# Altium PCB ALCT_MEZ_LX100.PcbDoc (part 1 of 10) (continued)
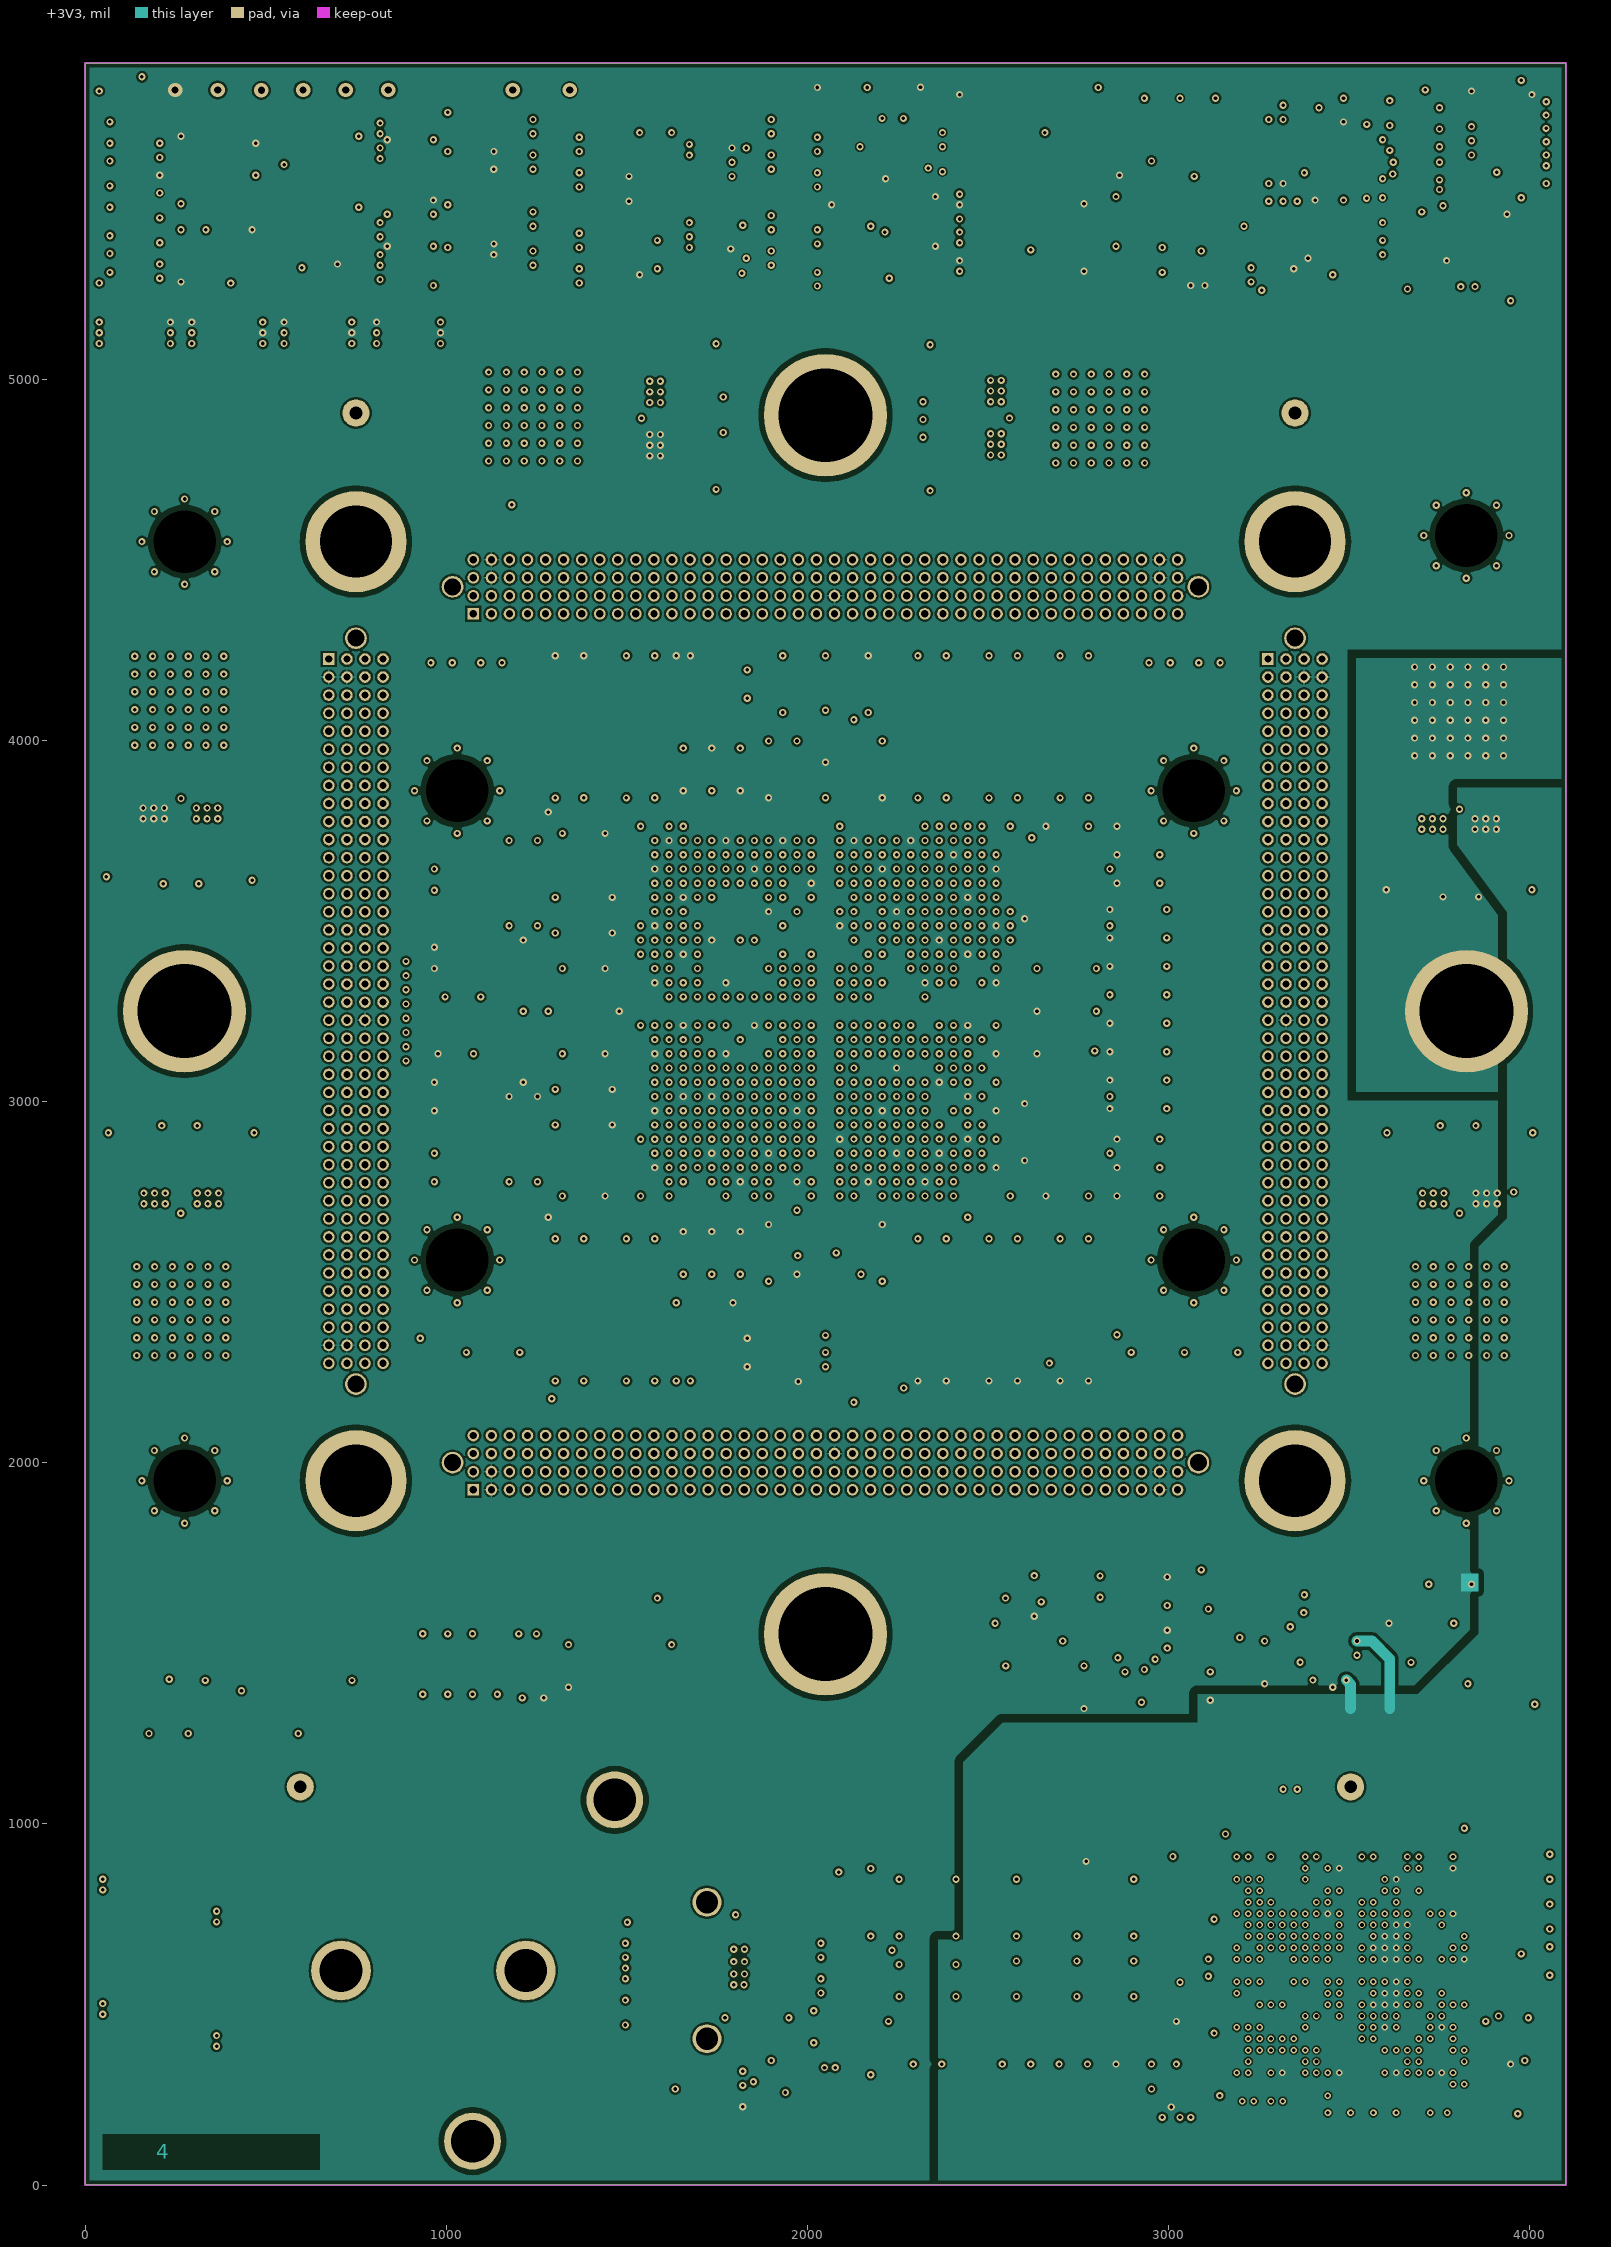
[diagram p4: +3V3]
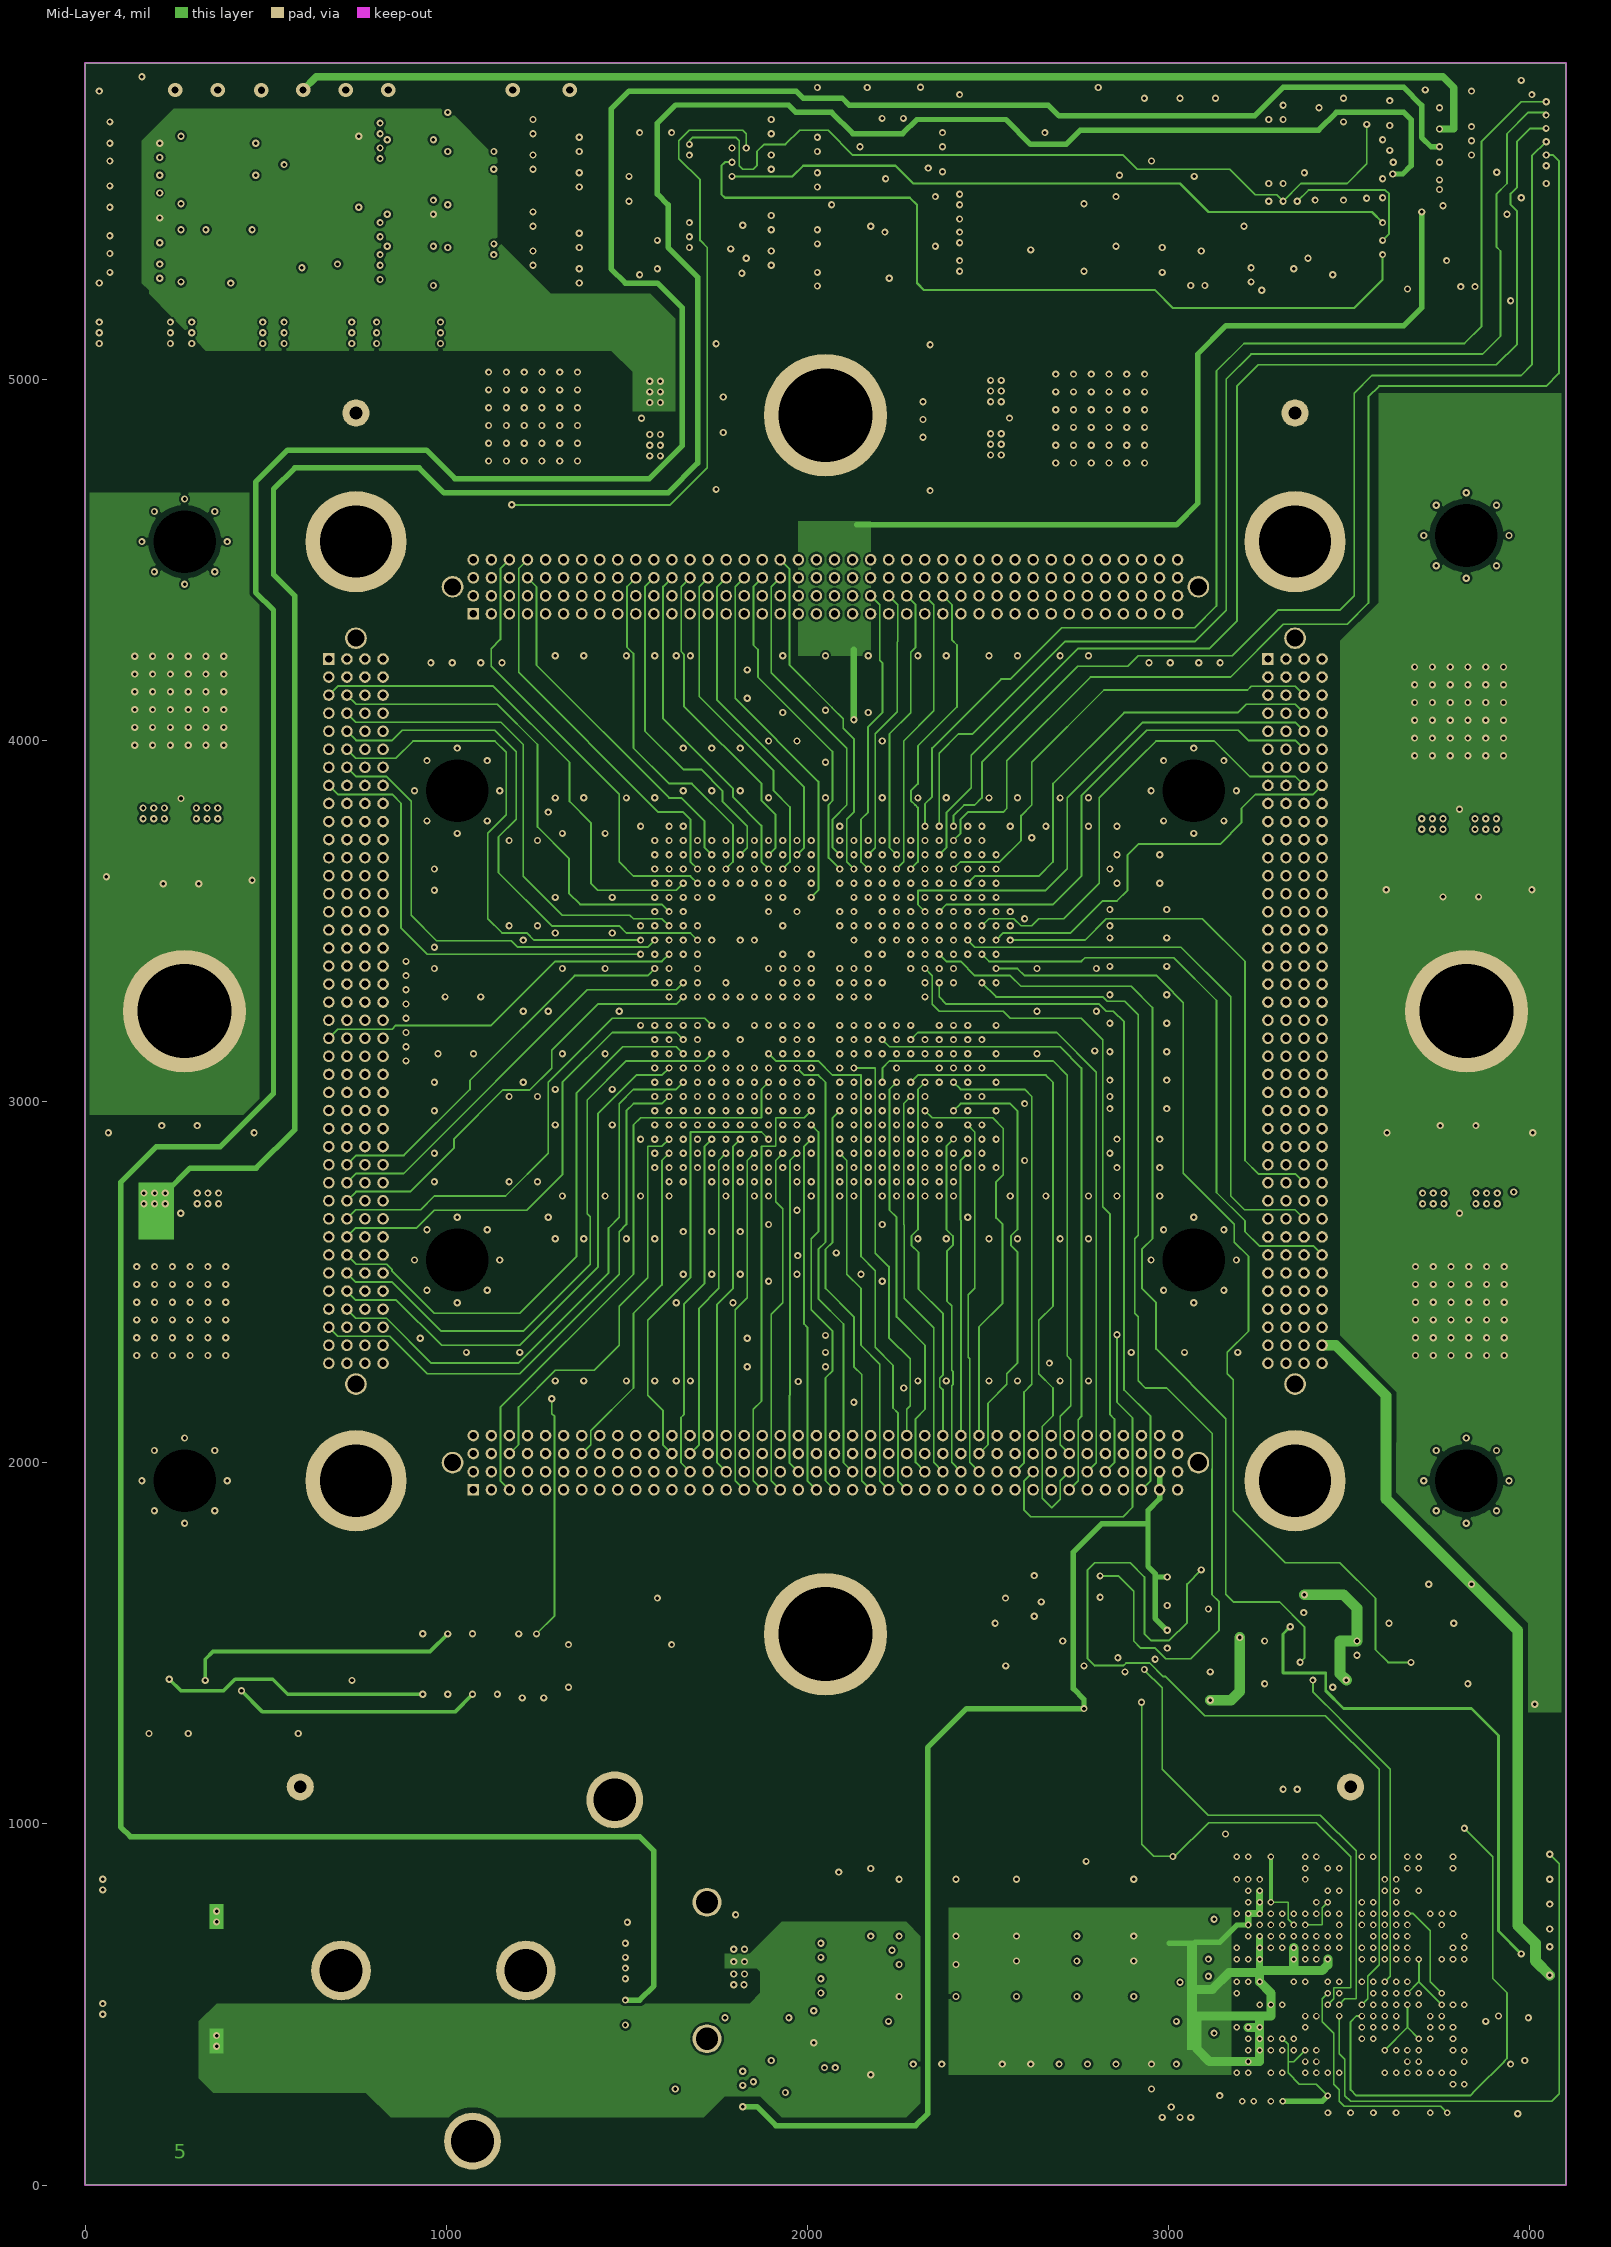
[diagram p5: Mid-Layer 4]
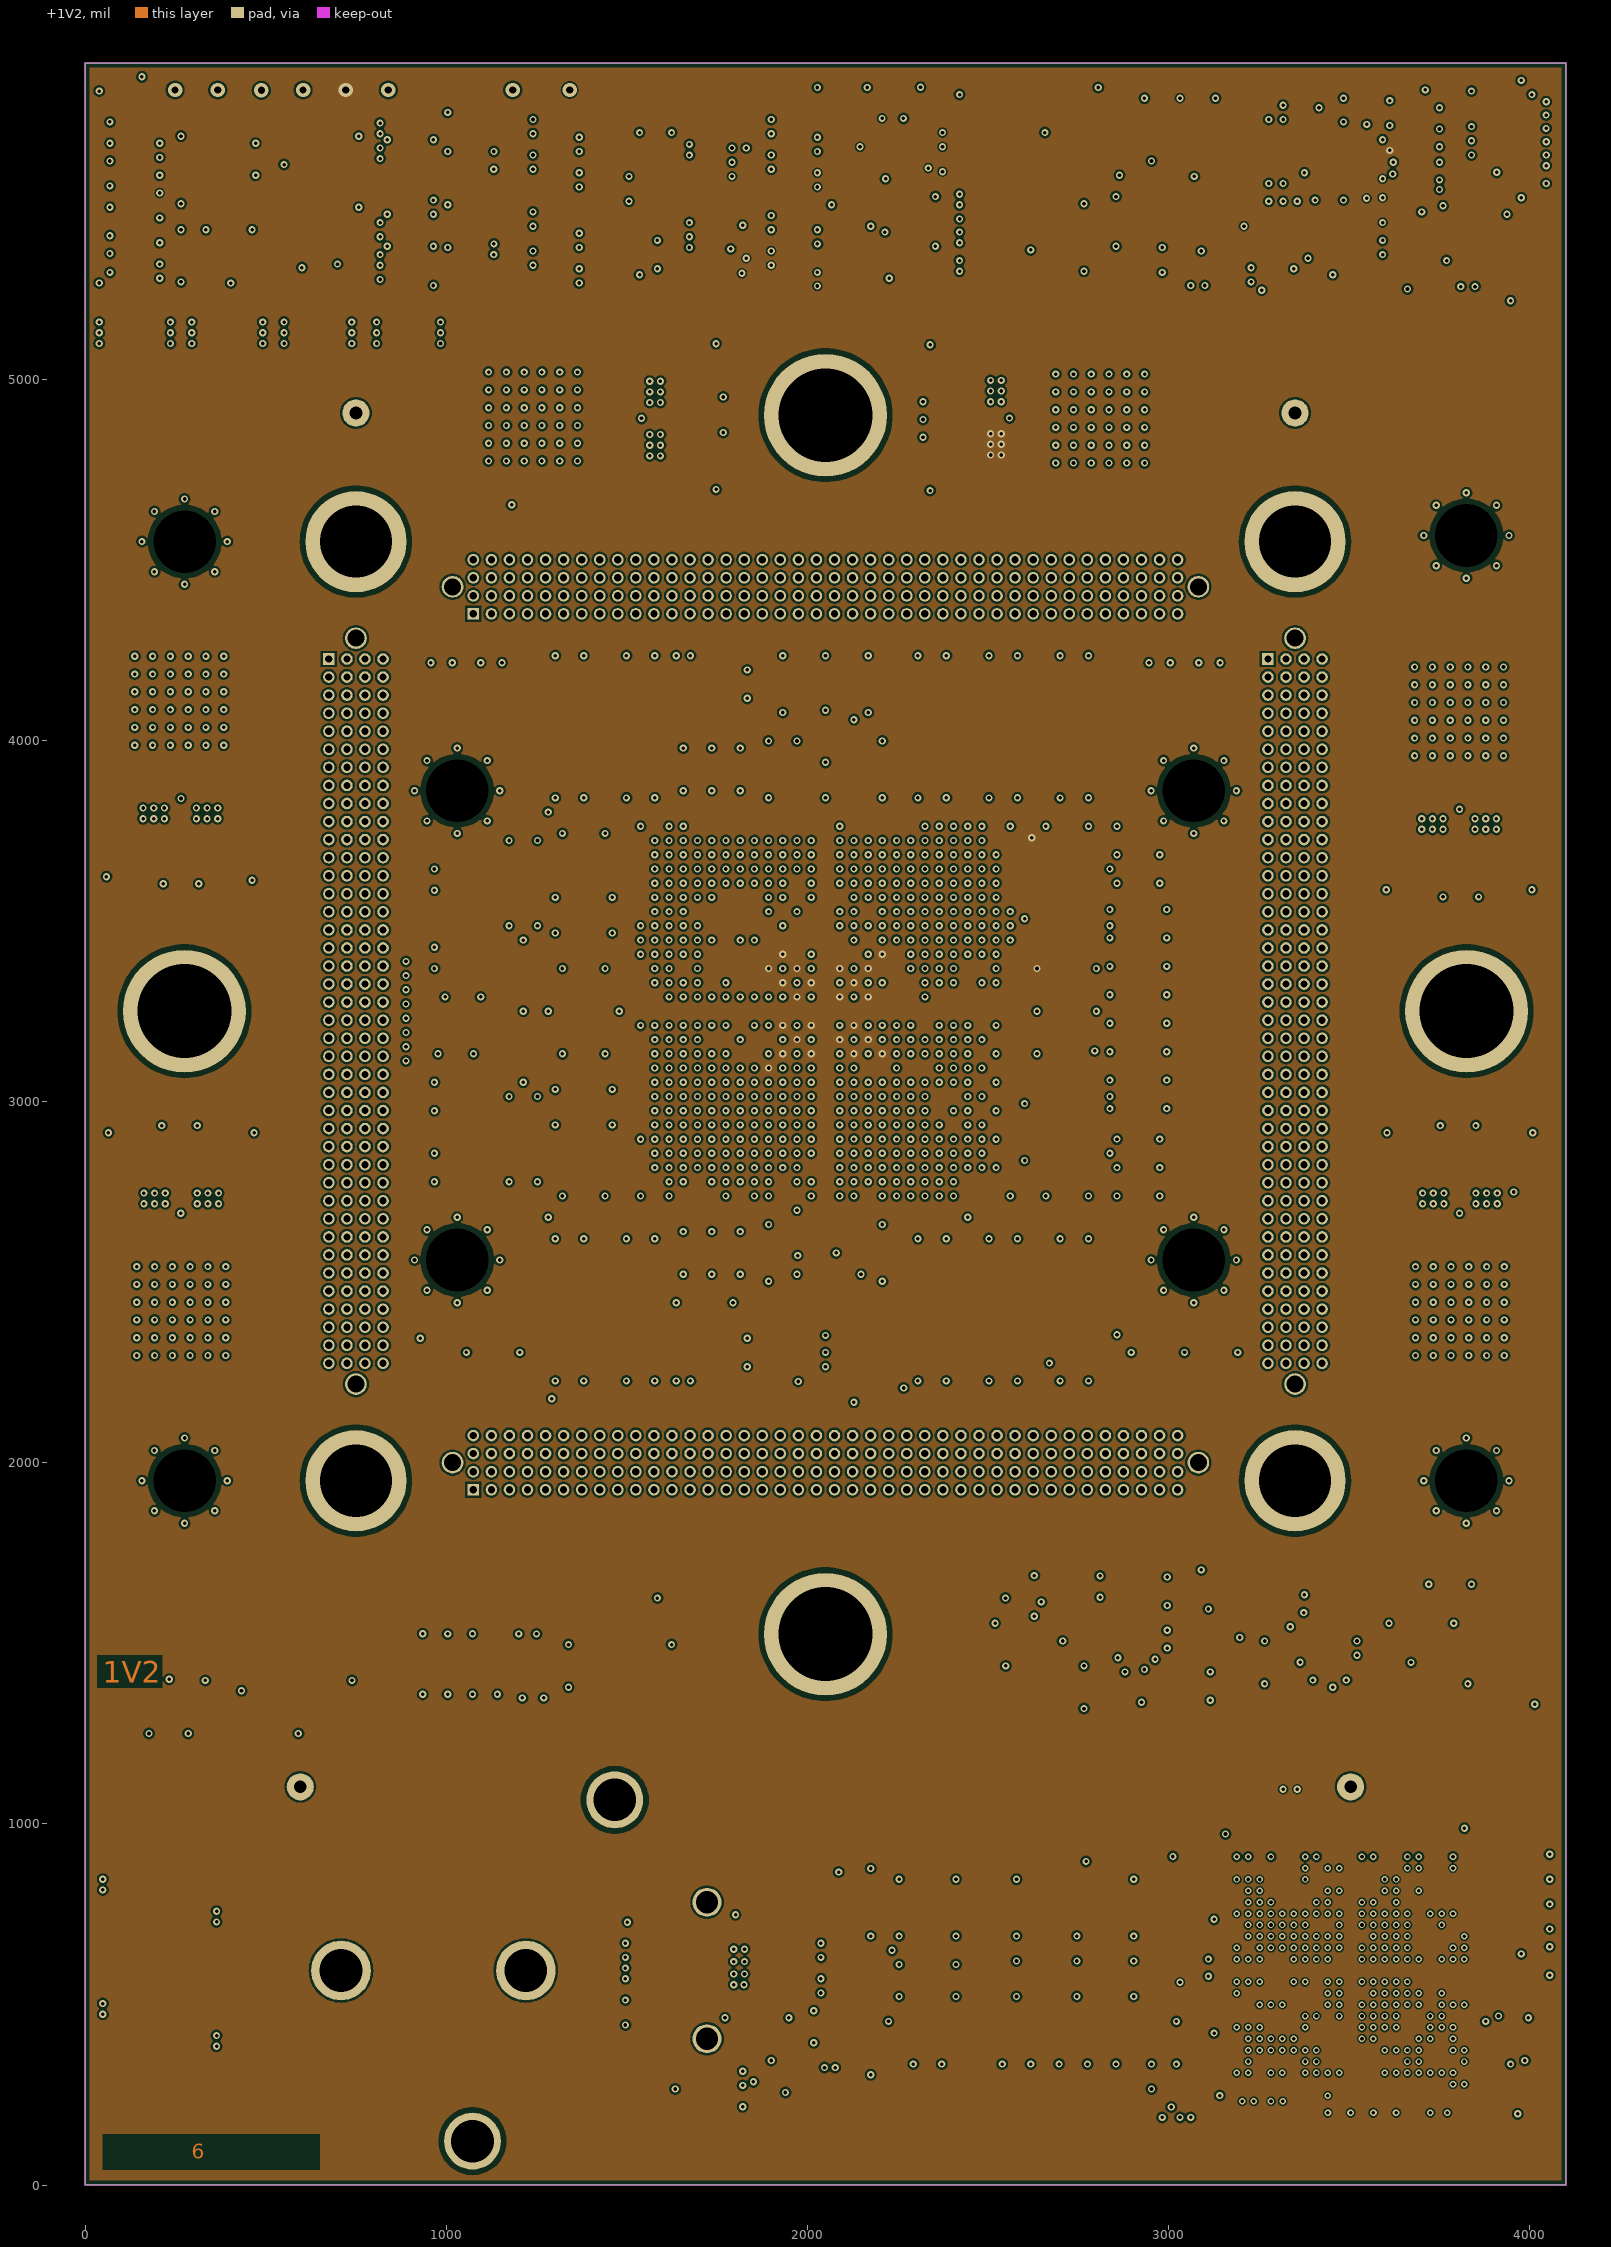
[diagram p6: +1V2]
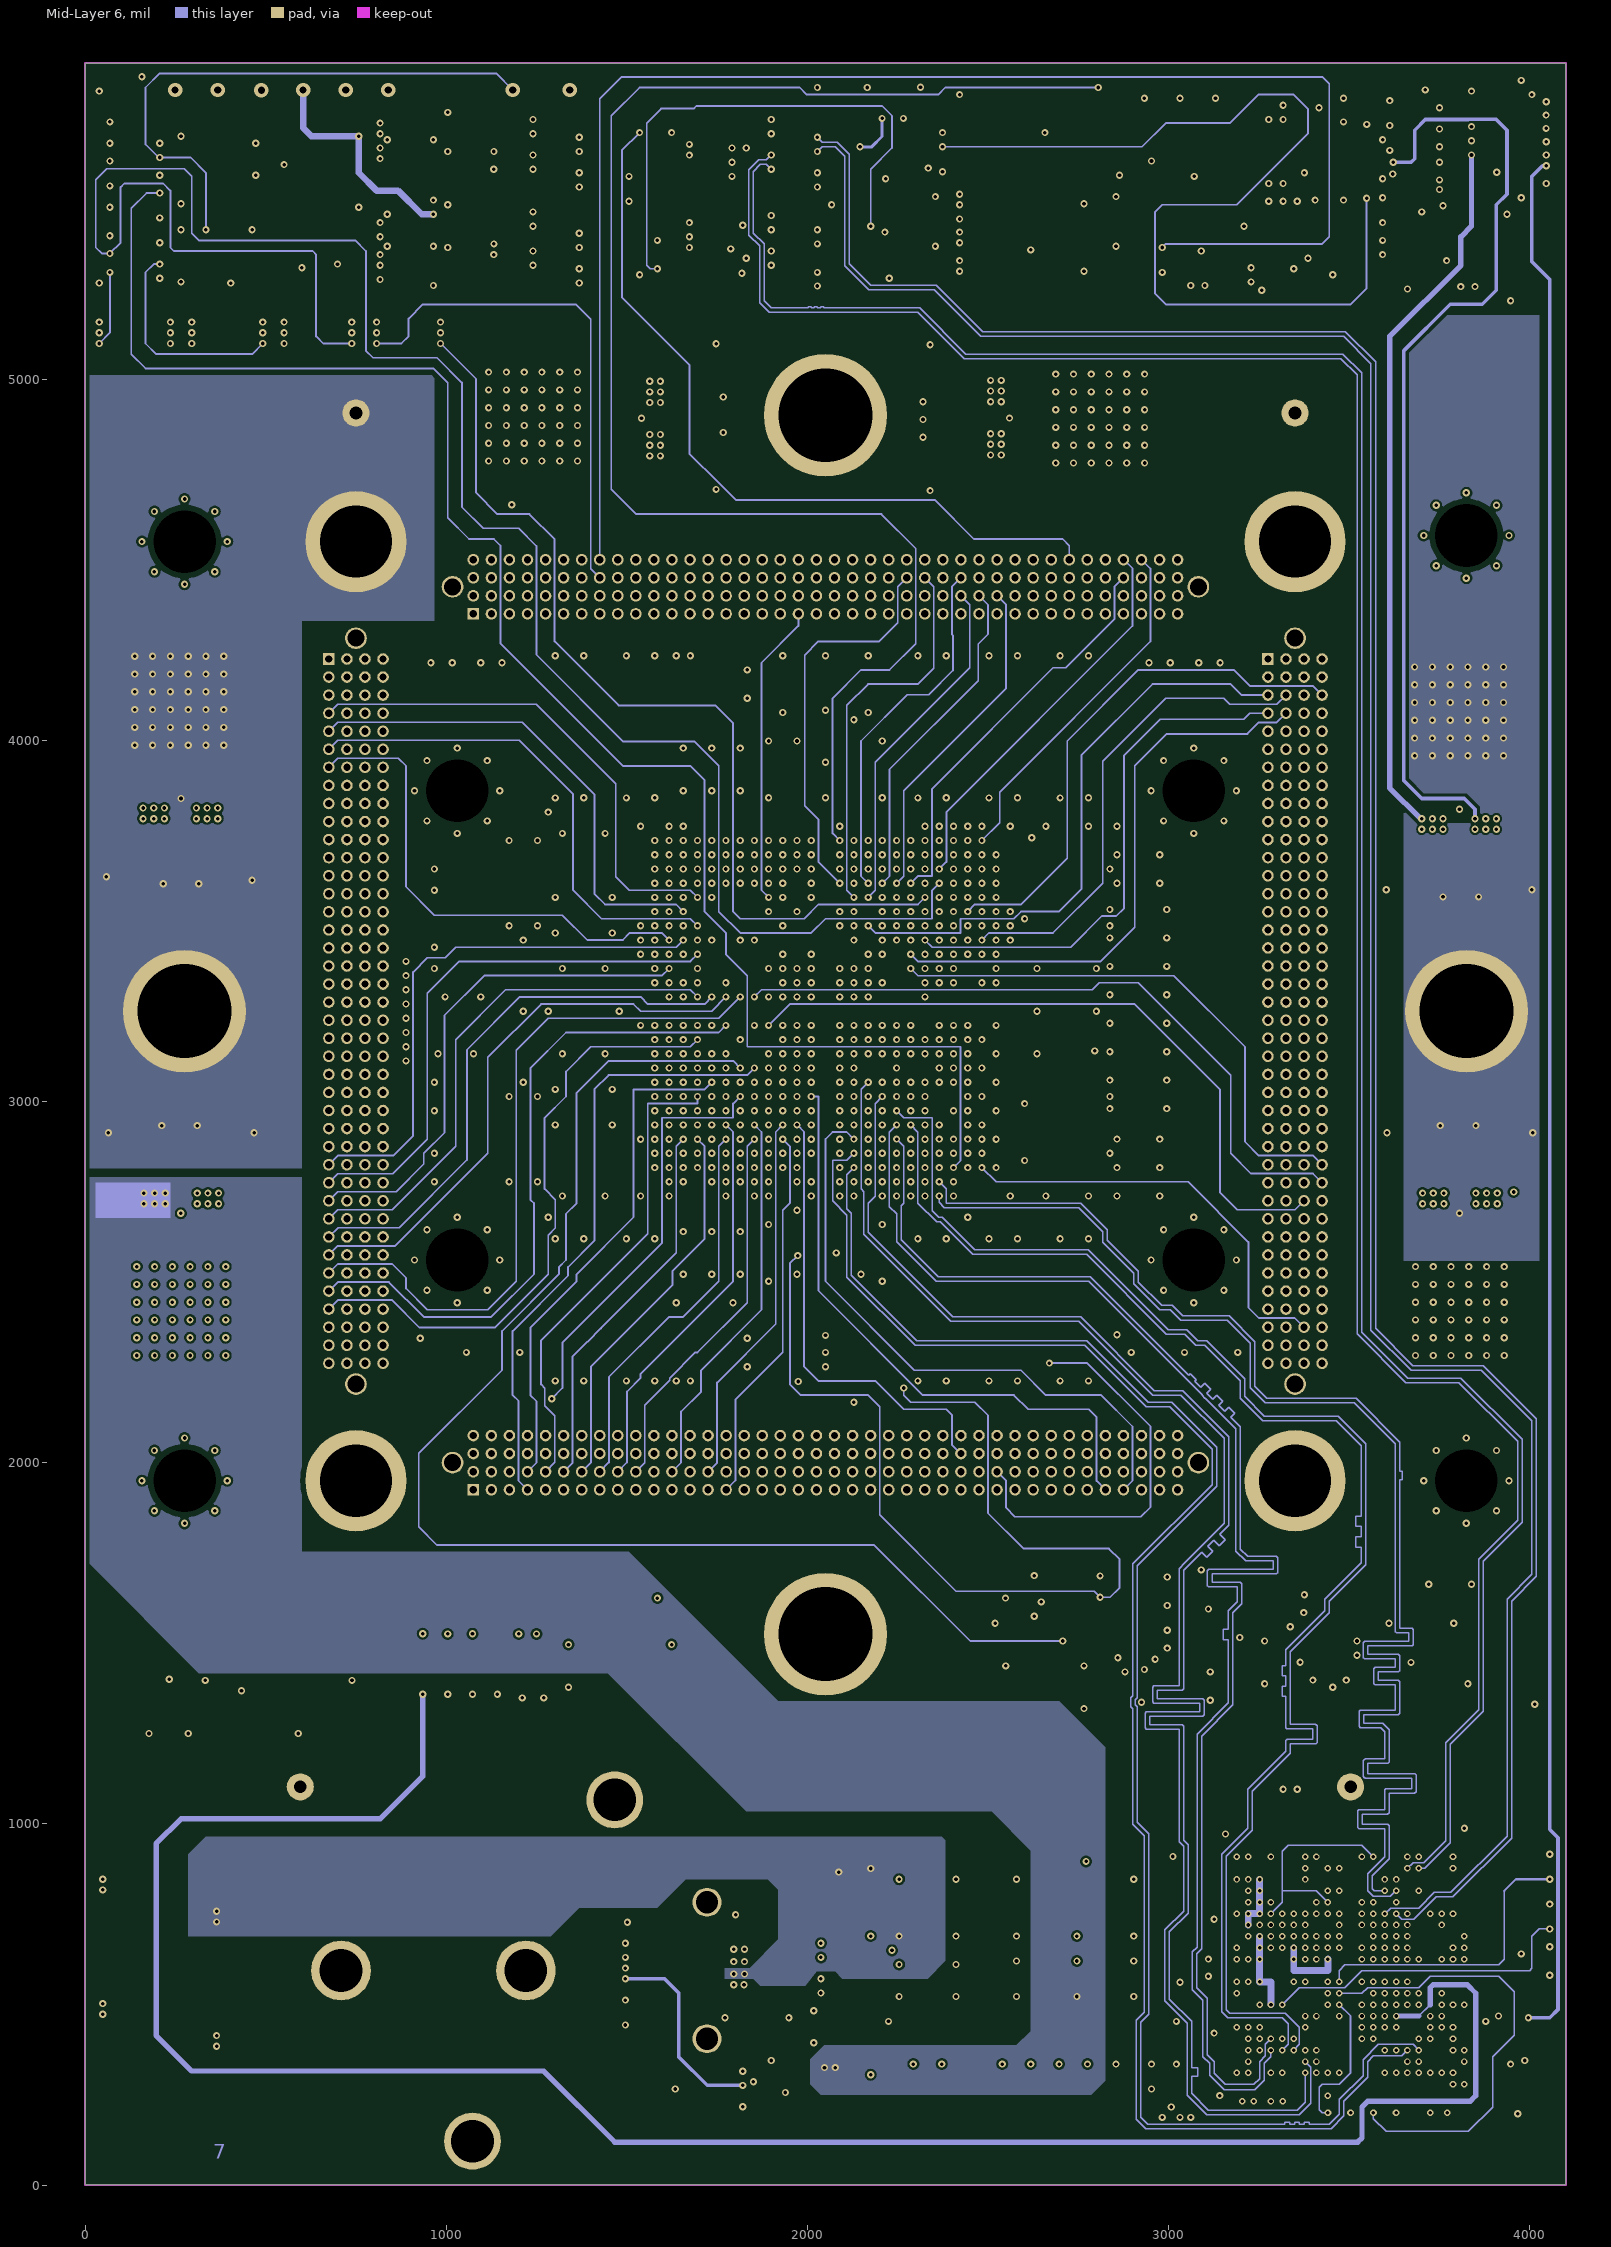
[diagram p7: Mid-Layer 6]